# KiCad board keyboard.kicad_pcb (continued)
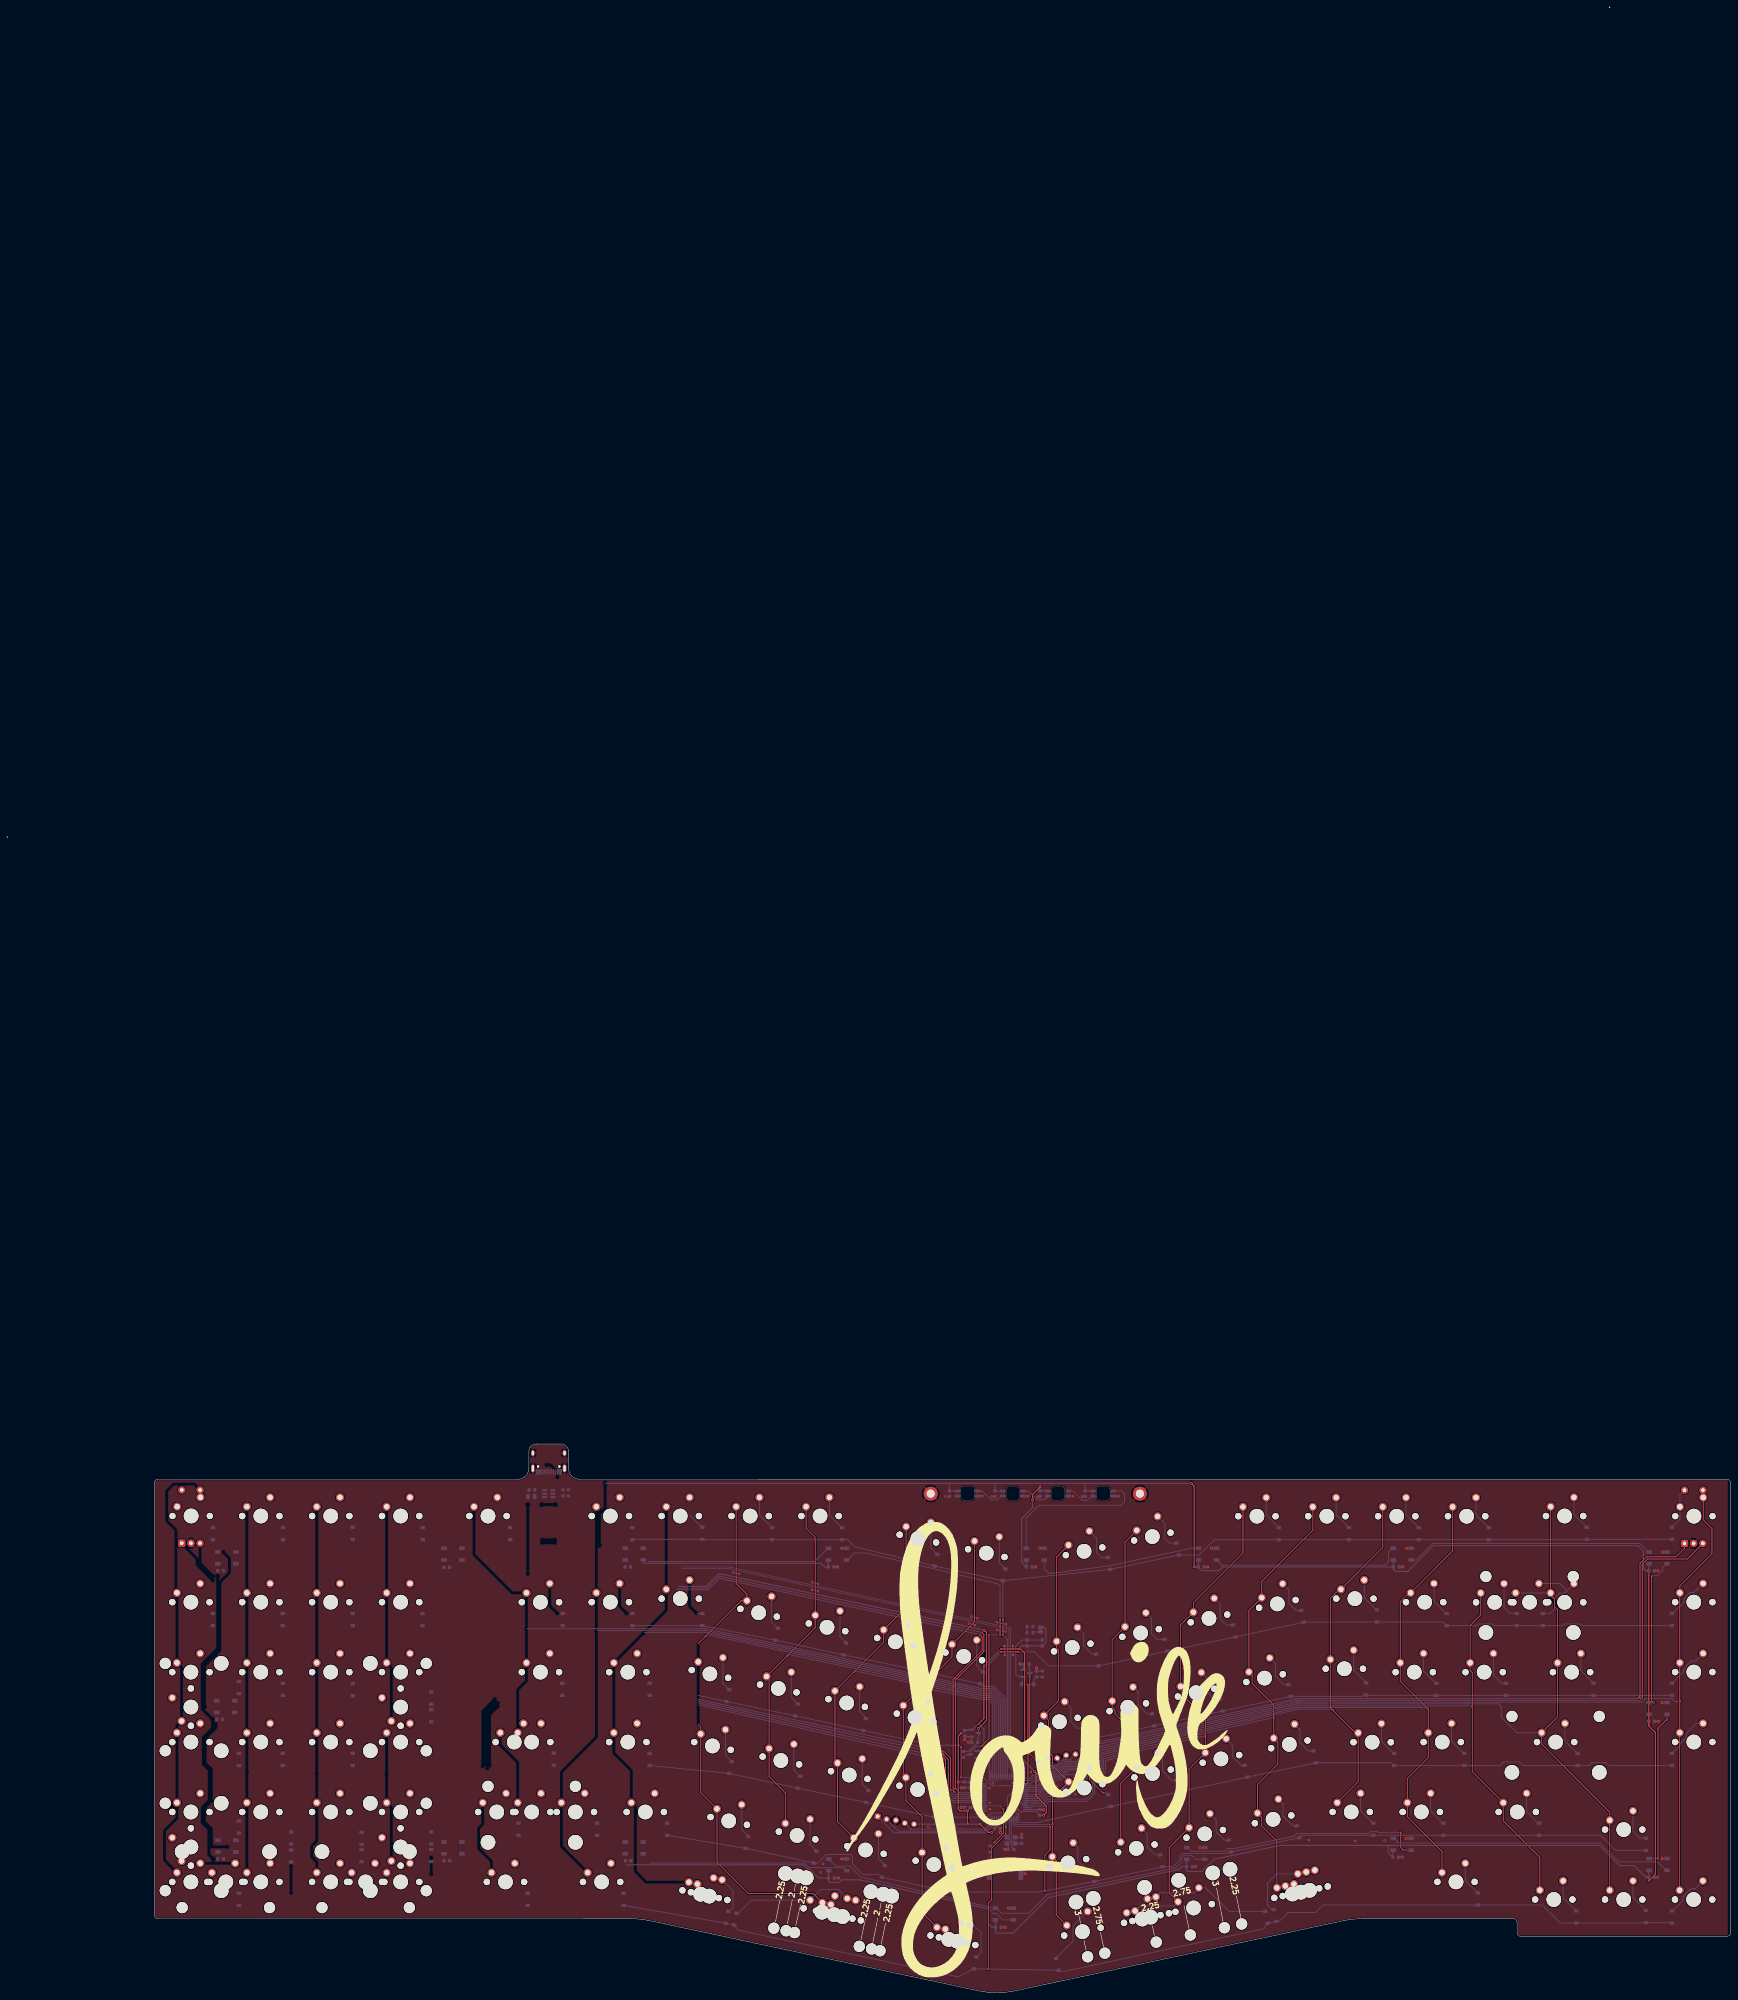
[diagram p0: board, top side]
## Placement (name value [footprint] x y rotation side) (continued)
Y1  8MHz  [Crystal_SMD_3225-4Pin_3.2x2.5mm]  273.53 41.47 0 bottom

## Library data of the parts
BZ1 = -: MPN: PKMCS0909E; Manufacturer: Murata Electronics
C1-C6 C8-C11 C13 C14 C16-C23 C30-C36 = -: LCSC: C14663; MPN: CC0603KRX7R9BB104; Manufacturer: YAGEO
C7 C12 C15 C24 C28 C29 = -: LCSC: C19666; MPN: CL10A475KO8NNNC; Manufacturer: Samsung Electro-Mechanics
C25 = -: LCSC: C96446; MPN: CL10A106MA8NRNC; Manufacturer: Samsung Electro-Mechanics
C26 C27 = -: LCSC: C1644; MPN: CL10C150JB8NNNC; Manufacturer: Samsung Electro-Mechanics
D1-D6 D11-D16 D21-D26 D29-D34 D38-D43 D47-D50 D54-D59 D61-D96 D98-D133 = -: LCSC: C81598; MPN: 1N4148W; Manufacturer: Semtech
D7-D10 D17-D20 D27 D28 D35-D37 D45 D51 D53 D134 D135 = -: LCSC: C2761795; MPN: WS2812B-B/W; Manufacturer: Worldsemi
D44 D46 D52 D60 = -: Manufacturer: Shenzhen LED Color
D97 = -: LCSC: C72041; MPN: 19-217/BHC-ZL1M2RY/3T; Manufacturer: Everlight Elec
F1 = -: LCSC: C66452; MPN: SMD0805-050; Manufacturer: TECHFUSE
H1 H2 J2 J3 JP1 LOGO2 LOGO3 SW1-SW56 SW58-SW129 = -: DNP: DNP
J1 = -: LCSC: C165948; MPN: TYPE-C-31-M-12; Manufacturer: Korean Hroparts Elec
Q1 = -: LCSC: C8545; Manufacturer: Changjiang Electronics Tech (CJ)
Q2 = -: LCSC: C145108; MPN: DDTC123JCA-7-F; Manufacturer: Diodes Incorporated
R1-R4 R6 = -: LCSC: C23186; MPN: 0603WAF5101T5E; Manufacturer: UNI-ROYAL(Uniroyal Elec)
R5 = -: LCSC: C25803; MPN: 0603WAF1003T5E; Manufacturer: UNI-ROYAL(Uniroyal Elec)
R7 = -: LCSC: C22843; MPN: 0603WAF1501T5E; Manufacturer: UNI-ROYAL(Uniroyal Elec)
R8 = -: LCSC: C23345; MPN: 0603WAF220JT5E; Manufacturer: UNI-ROYAL(Uniroyal Elec)
SW57 = -: LCSC: C99271; MPN: KMR231GLFS; Manufacturer: C&K
U1 = -: LCSC: C85364; MPN: TP4057-42-SOT26-R; Manufacturer: TOPPOWER
U2 = -: LCSC: C5446; Manufacturer: Torex Semicon
U3 = -: LCSC: C108516; Manufacturer: STMicroelectronics
Y1 = -: LCSC: C403948; MPN: TAXM8M4RFDCET2T; Manufacturer: TAE(Zhejiang Abel Elec)

## Footprints (pads in the part's own frame, mm; a bottom-side part is the same pattern mirrored in y, then rotated)
5_PIN_THT_Staggered
  rrect 1.7x1.7 hole 1: 1(0.127,0)
  oval 1.7x1.7 hole 1: 2(-0.127,-2.54) 3(0.127,-5.08) 4(-0.127,-7.62) 5(0.127,-10.16)
Buzzer_Murata_PKMCS0909E
  rect 1.3x3.4 smd: 1(-4.35,0) 2(4.35,0)
C_0603_1608Metric
  rrect 0.9x0.95 smd: 1(-0.775,0) 2(0.775,0)
Crystal_SMD_3225-4Pin_3.2x2.5mm
  rrect 1.4x1.2 smd: 1(-1.1,-0.85) 2(1.1,-0.85) 3(1.1,0.85) 4(-1.1,0.85)
D_SOD-123
  rect 0.9x1.2 smd: 1(-1.65,0) 2(1.65,0)
Fuse_0805_2012Metric
  rrect 0.975x1.4 smd: 1(-0.938,0) 2(0.938,0)
LED_0603_1608Metric
  rrect 0.875x0.95 smd: 1(-0.787,0) 2(0.787,0)
LED_WS2812B_PLCC4_5.0x5.0mm_P3.2mm
  rect 1.5x1 smd: 1(-2.45,1.6) 2(-2.45,-1.6) 3(2.45,-1.6) 4(2.45,1.6)
LQFP-64_10x10mm_P0.5mm
  rrect 1.55x0.3 smd: 1(-5.675,3.75) 2(-5.675,3.25) 3(-5.675,2.75) 4(-5.675,2.25) 5(-5.675,1.75) 6(-5.675,1.25) 7(-5.675,0.75) 8(-5.675,0.25) 9(-5.675,-0.25) 10(-5.675,-0.75) 11(-5.675,-1.25) 12(-5.675,-1.75) 13(-5.675,-2.25) 14(-5.675,-2.75) 15(-5.675,-3.25) 16(-5.675,-3.75) 33(5.675,-3.75) 34(5.675,-3.25) 35(5.675,-2.75) 36(5.675,-2.25) 37(5.675,-1.75) 38(5.675,-1.25) 39(5.675,-0.75) 40(5.675,-0.25) 41(5.675,0.25) 42(5.675,0.75) 43(5.675,1.25) 44(5.675,1.75) 45(5.675,2.25) 46(5.675,2.75) 47(5.675,3.25) 48(5.675,3.75)
  rrect 0.3x1.55 smd: 17(-3.75,-5.675) 18(-3.25,-5.675) 19(-2.75,-5.675) 20(-2.25,-5.675) 21(-1.75,-5.675) 22(-1.25,-5.675) 23(-0.75,-5.675) 24(-0.25,-5.675) 25(0.25,-5.675) 26(0.75,-5.675) 27(1.25,-5.675) 28(1.75,-5.675) 29(2.25,-5.675) 30(2.75,-5.675) 31(3.25,-5.675) 32(3.75,-5.675) 49(3.75,5.675) 50(3.25,5.675) 51(2.75,5.675) 52(2.25,5.675) 53(1.75,5.675) 54(1.25,5.675) 55(0.75,5.675) 56(0.25,5.675) 57(-0.25,5.675) 58(-0.75,5.675) 59(-1.25,5.675) 60(-1.75,5.675) 61(-2.25,5.675) 62(-2.75,5.675) 63(-3.25,5.675) 64(-3.75,5.675)
MountingHole_2.2mm_M2_DIN965_Pad
  round 3.8 hole 2.2: 1(0,0)
MX_KEYSWITCH_ENCODER
  round 1.7 hole 1.7 unplated: (-5.02,0.02) (5.14,0.02)
  round 4 hole 4 unplated: (0.06,0.02)
  rrect 2x2 hole 1: A(-2.5,-7.4)
  round 2 hole 1: B(2.5,-7.4) C(0,-7.4) S1(2.5,7.1) S2(-2.5,7.1)
  round 2.2 hole 1.5: S1(2.6,5.1) S2(-3.75,2.56)
MXOnly-1.5U-NoLED
  round 1.75 hole 1.75 unplated: (-5.08,0) (5.08,0)
  round 3.988 hole 3.988 unplated: (0,0)
  round 2.25 hole 1.47: 1(-3.81,2.54) 2(2.54,5.08)
MXOnly-1.25U-NoLED
  round 1.75 hole 1.75 unplated: (-5.08,0) (5.08,0)
  round 3.988 hole 3.988 unplated: (0,0)
  round 2.25 hole 1.47: 1(-3.81,2.54) 2(2.54,5.08)
MXOnly-1.75U-NoLED
  round 1.75 hole 1.75 unplated: (-5.08,0) (5.08,0)
  round 3.988 hole 3.988 unplated: (0,0)
  round 2.25 hole 1.47: 1(-3.81,2.54) 2(2.54,5.08)
MXOnly-1U-NoLED
  round 1.75 hole 1.75 unplated: (-5.08,0) (5.08,0)
  round 3.988 hole 3.988 unplated: (0,0)
  round 2.25 hole 1.47: 1(-3.81,2.54) 2(2.54,5.08)
MXOnly-2.25U-NoLED
  round 3.048 hole 3.048 unplated: (-11.906,6.985) (11.906,6.985)
  round 3.988 hole 3.988 unplated: (-11.906,-8.255) (0,0) (11.906,-8.255)
  round 1.75 hole 1.75 unplated: (-5.08,0) (5.08,0)
  round 2.25 hole 1.47: 1(-3.81,2.54) 2(2.54,5.08)
MXOnly-2.25U-ReversedStabilizers-NoLED
  round 3.988 hole 3.988 unplated: (-11.906,8.255) (0,0) (11.906,8.255)
  round 3.048 hole 3.048 unplated: (-11.906,-6.985) (11.906,-6.985)
  round 1.75 hole 1.75 unplated: (-5.08,0) (5.08,0)
  round 2.25 hole 1.47: 1(-3.81,2.54) 2(2.54,5.08)
MXOnly-2.75U-ReversedStabilizers-NoLED
  round 3.988 hole 3.988 unplated: (-11.906,8.255) (0,0) (11.906,8.255)
  round 3.048 hole 3.048 unplated: (-11.906,-6.985) (11.906,-6.985)
  round 1.75 hole 1.75 unplated: (-5.08,0) (5.08,0)
  round 2.25 hole 1.47: 1(-3.81,2.54) 2(2.54,5.08)
MXOnly-2U-NoLED
  round 3.048 hole 3.048 unplated: (-11.906,6.985) (11.906,6.985)
  round 3.988 hole 3.988 unplated: (-11.906,-8.255) (0,0) (11.906,-8.255)
  round 1.75 hole 1.75 unplated: (-5.08,0) (5.08,0)
  round 2.25 hole 1.47: 1(-3.81,2.54) 2(2.54,5.08)
MXOnly-2U-ReversedStabilizers-NoLED
  round 3.988 hole 3.988 unplated: (-11.906,8.255) (0,0) (11.906,8.255)
  round 3.048 hole 3.048 unplated: (-11.906,-6.985) (11.906,-6.985)
  round 1.75 hole 1.75 unplated: (-5.08,0) (5.08,0)
  round 2.25 hole 1.47: 1(-3.81,2.54) 2(2.54,5.08)
MXOnly-3U-ReversedStabilizers-NoLED
  round 3.988 hole 3.988 unplated: (-19.05,8.255) (0,0) (19.05,8.255)
  round 3.048 hole 3.048 unplated: (-19.05,-6.985) (19.05,-6.985)
  round 1.75 hole 1.75 unplated: (-5.08,0) (5.08,0)
  round 2.25 hole 1.47: 1(-3.81,2.54) 2(2.54,5.08)
R_0603_1608Metric
  rrect 0.8x0.95 smd: 1(-0.825,0) 2(0.825,0)
SK8612-MINI-E
  rrect 1.55x0.81 smd far side: 1(-2.7,0.7) 4(2.8,0.7)
  rrect 1.55x0.82 smd far side: 2(-2.7,-0.66)
  rect 1.55x0.82 smd far side: 3(2.8,-0.66)
SolderJumper-2_P1.3mm_Bridged_RoundedPad1.0x1.5mm
  custom 1x1.5 smd: 1(-0.65,0) 2(0.65,0)
SOT-23
  rrect 1.475x0.6 smd: 1(-0.938,0.95) 2(-0.938,-0.95) 3(0.938,0)
SOT-23-6
  rrect 1.325x0.6 smd: 1(-1.137,0.95) 2(-1.137,0) 3(-1.137,-0.95) 4(1.137,-0.95) 5(1.137,0) 6(1.137,0.95)
SW_Push_KMR2
  rrect 0.9x1 smd: 1(-2.05,0.8) 1(2.05,0.8) 2(-2.05,-0.8) 2(2.05,-0.8)
USB_C_Receptacle_HRO_TYPE-C-31-M-12
  rrect 1.5x2.1 smd: (-4.55,-1.05) (4.55,-1.05)
  rrect 1.5x2.5 smd: (-4.55,3.13) (4.55,3.13)
  round 0.65 hole 0.65 unplated: (-2.89,2.6) (2.89,2.6)
  rrect 0.6x1.45 smd: A1(-3.25,4.045) A4(-2.45,4.045) A9(2.45,4.045) A12(3.25,4.045) B1(3.25,4.045) B4(2.45,4.045) B9(-2.45,4.045) B12(-3.25,4.045)
  rrect 0.3x1.45 smd: A5(-1.25,4.045) A6(-0.25,4.045) A7(0.25,4.045) A8(1.25,4.045) B5(1.75,4.045) B6(0.75,4.045) B7(-0.75,4.045) B8(-1.75,4.045)
  oval 1x1.6 hole 0.6x1.2: S1(-4.32,-1.05) S1(4.32,-1.05)
  oval 1x2.1 hole 0.6x1.7: S1(-4.32,3.13) S1(4.32,3.13)

## Nets
+3V3: C15.2 C28.1 C29.1 C30.1 C31.1 C32.1 C33.1 C34.1 J2.5 J3.5 JP1.2 Q1.1 R1.1 R7.1 SW57.1 U2.2 U3.1 U3.13 U3.19 U3.32 U3.48 U3.64
+5V: C1.2 C2.2 C3.2 C4.2 C5.2 C6.2 C8.2 C9.2 C10.2 C11.2 C12.2 C13.2 C14.2 C16.2 C17.2 C18.2 C19.2 C20.2 C21.2 C22.2 C23.2 C35.2 C36.2 D7.1 D8.1 D9.1 D10.1 D17.1 D18.1 D19.1 D20.1 D27.1 D28.1 D35.1 D36.1 D37.1 D44.1 D45.1 D46.1 D51.1 D52.1 D53.1 D60.1 D134.1 D135.1 F1.1 R2.1 U2.3
GND: BZ1.2 C1.1 C2.1 C3.1 C4.1 C5.1 C6.1 C7.1 C8.1 C9.1 C10.1 C11.1 C12.1 C13.1 C14.1 C15.1 C16.1 C17.1 C18.1 C19.1 C20.1 C21.1 C22.1 C23.1 C24.2 C25.2 C26.2 C27.2 C28.2 C29.2 C30.2 C31.2 C32.2 C33.2 C34.2 C35.1 C36.1 D7.3 D8.3 D9.3 D10.3 D17.3 D18.3 D19.3 D20.3 D27.3 D28.3 D35.3 D36.3 D37.3 D44.3 D45.3 D46.3 D51.3 D52.3 D53.3 D60.3 D97.1 D134.3 D135.3 H1.1 H2.1 J1.A1 J1.A12 J1.B1 J1.B12 J1.S1 J2.3 J3.3 Q2.2 R3.1 R4.2 R5.2 SW1.C SW124.C U1.2 U2.1 U3.12 U3.31 U3.47 U3.63 Y1.2 Y1.4
VBUS: C7.2 F1.2 J1.A4 J1.A9 J1.B4 J1.B9 U1.5
/BOOT0: C25.1 D73.1 R5.1 U3.60
/BUZZER: R8.1 U3.20
/col0: SW1.S1 SW2.1 SW3.1 SW4.1 SW5.1 SW6.1 SW7.1 SW8.1 SW9.1 U3.25
/col1: SW10.1 SW11.1 SW12.1 SW13.1 SW14.1 SW15.1 U3.24
/col2: SW16.1 SW17.1 SW18.1 SW19.1 SW20.1 SW21.1 U3.23
/col3: SW22.1 SW23.1 SW24.1 SW25.1 SW26.1 SW27.1 SW28.1 SW29.1 SW30.1 U3.22
/col4: SW31.1 SW32.1 SW33.1 SW34.1 SW35.1 SW36.1 SW37.1 SW38.1 U3.40
/col5: SW39.1 SW40.1 SW41.1 SW42.1 U3.39
/col6: SW43.1 SW44.1 SW45.1 SW46.1 SW47.1 SW48.1 SW128.1 U3.38
/col7: SW49.1 SW50.1 SW51.1 SW52.1 SW53.1 SW54.1 SW55.1 SW129.2 U3.37
/col8: SW58.1 SW59.1 SW60.1 SW61.1 SW62.1 U3.35
/col9: SW64.1 SW65.1 SW66.1 SW67.1 SW68.1 U3.34
/col10: SW56.1 SW63.1 SW72.1 SW73.1 SW74.1 SW75.1 SW76.1 U3.33
/col11: SW69.1 SW78.1 SW79.1 SW80.1 SW81.1 SW82.1 U3.3
/col12: SW85.1 SW86.1 SW87.1 SW88.1 SW89.1 U3.62
/col13: SW70.1 SW71.1 SW77.1 SW91.1 SW92.1 SW93.1 SW94.1 SW95.1 U3.61
/col14: SW83.1 SW84.1 SW90.1 SW96.1 SW97.1 SW98.1 SW99.1 SW100.1 U3.59
/col15: SW101.1 SW102.1 SW103.1 SW104.1 SW105.1 U3.58
/col16: SW106.1 SW107.1 SW108.1 SW109.1 SW110.1 SW111.1 U3.57
/col17: SW112.1 SW114.1 SW115.1 SW117.1 U3.56
/col18: SW113.1 SW116.1 SW118.1 SW119.1 SW120.1 SW121.1 SW122.1 U3.55
/col19: SW123.1 SW124.S1 SW125.1 SW126.1 SW127.1 U3.53
/ENC0_A: SW1.A U3.29
/ENC0_B: SW1.B U3.30
/ENC1_A: SW124.A U3.51
/ENC1_B: SW124.B U3.52
/nRST: C24.1 J2.1 Q2.3 U3.7
/RGB_UG: Q1.2 R1.2 U3.36
/row0: D6.1 D11.1 D21.1 D29.1 D38.1 D47.1 D54.1 D61.1 D67.1 D74.1 D80.1 D86.1 D91.1 D98.1 D103.1 D108.1 D114.1 D120.1 D133.1 U3.42
/row1: D1.1 D12.1 D22.1 D30.1 D39.1 D48.1 D55.1 D62.1 D68.1 D75.1 D81.1 D87.1 D92.1 D99.1 D104.1 D109.1 D115.1 D121.1 D126.1 D130.1 U3.41
/row2: D2.1 D13.1 D23.1 D31.1 D40.1 D56.1 D63.1 D69.1 D76.1 D82.1 D88.1 D93.1 D100.1 D105.1 D110.1 D116.1 D122.1 D127.1 D131.1 U3.50
/row3: D3.1 D14.1 D24.1 D32.1 D41.1 D57.1 D64.1 D70.1 D77.1 D83.1 D89.1 D94.1 D101.1 D106.1 D111.1 D117.1 D123.1 D132.1 U3.2
/row4: D4.1 D15.1 D25.1 D33.1 D42.1 D49.1 D58.1 D65.1 D71.1 D78.1 D84.1 D90.1 D95.1 D102.1 D107.1 D112.1 D118.1 D124.1 D128.1 U3.4
/row5: D5.1 D16.1 D26.1 D34.1 D43.1 D50.1 D59.1 D66.1 D72.1 D79.1 D85.1 D96.1 D113.1 D119.1 D125.1 D129.1 U3.8
/SPARE_0: J3.1 U3.14
/SPARE_1: J3.2 U3.15
/SPARE_2: J3.4 U3.16
/SWDCLK: J2.4 U3.49
/SWDIO: J2.2 U3.46
/USB+: J1.A6 J1.B6 R7.2 U1.3 U3.45
/USB-: J1.A7 J1.B7 U1.4 U3.44
/XTAL_0: C26.1 U3.5 Y1.3
/XTAL_1: C27.1 U3.6 Y1.1
Net-(BZ1-Pad1): BZ1.1 R8.2
Net-(D1-Pad2): D1.2 SW5.2
Net-(D2-Pad2): D2.2 SW6.2 SW7.2
Net-(D3-Pad2): D3.2 SW2.2
Net-(D4-Pad2): D4.2 SW3.2 SW8.2
Net-(D5-Pad2): D5.2 SW4.2 SW9.2
Net-(D6-Pad2): D6.2 SW1.S2
Net-(D7-Pad2): D7.2 D9.4
Net-(D7-Pad4): D7.4 Q1.3 R2.2
Net-(D10-Pad2): D10.2 D18.4
Net-(D10-Pad4): D8.2 D10.4
Net-(D11-Pad2): D11.2 SW10.2
Net-(D12-Pad2): D12.2 SW11.2
Net-(D13-Pad2): D13.2 SW12.2
Net-(D14-Pad2): D14.2 SW13.2
Net-(D15-Pad2): D15.2 SW14.2
Net-(D16-Pad2): D16.2 SW15.2
Net-(D17-Pad2): D17.2 D19.4
Net-(D18-Pad2): D18.2 D20.4
Net-(D19-Pad2): D19.2 D27.4
Net-(D20-Pad2): D20.2 D28.4
Net-(D21-Pad2): D21.2 SW16.2
Net-(D22-Pad2): D22.2 SW17.2
Net-(D23-Pad2): D23.2 SW18.2
Net-(D24-Pad2): D24.2 SW19.2
Net-(D25-Pad2): D25.2 SW20.2
Net-(D26-Pad2): D26.2 SW21.2
Net-(D27-Pad2): D27.2 D35.4
Net-(D28-Pad2): D28.2 D36.4
Net-(D29-Pad2): D29.2 SW25.2
Net-(D30-Pad2): D30.2 SW26.2
Net-(D31-Pad2): D31.2 SW22.2 SW27.2
Net-(D32-Pad2): D32.2 SW28.2
Net-(D33-Pad2): D33.2 SW23.2 SW29.2
Net-(D34-Pad2): D34.2 SW24.2 SW30.2
Net-(D35-Pad2): D35.2 D37.4
Net-(D37-Pad2): D37.2 D45.4
Net-(D38-Pad2): D38.2 SW33.2
Net-(D39-Pad2): D39.2 SW34.2
Net-(D40-Pad2): D40.2 SW35.2
Net-(D41-Pad2): D41.2 SW31.2 SW36.2
Net-(D42-Pad2): D42.2 SW32.2 SW37.2
Net-(D43-Pad2): D43.2 SW38.2
Net-(D44-Pad2): D44.2 D46.4
Net-(D45-Pad2): D45.2 D51.4
Net-(D46-Pad2): D46.2 D52.4
Net-(D47-Pad2): D47.2 SW39.2
Net-(D48-Pad2): D48.2 SW40.2
Net-(D49-Pad2): D49.2 SW41.2
Net-(D50-Pad2): D50.2 SW42.2
Net-(D51-Pad2): D51.2 D53.4
Net-(D52-Pad2): D52.2 D60.4
Net-(D53-Pad2): D8.4 D53.2
Net-(D54-Pad2): D54.2 SW43.2
Net-(D55-Pad2): D55.2 SW44.2
Net-(D56-Pad2): D56.2 SW45.2
Net-(D57-Pad2): D57.2 SW46.2
Net-(D58-Pad2): D58.2 SW47.2
Net-(D59-Pad2): D59.2 SW48.2 SW128.2
Net-(D61-Pad2): D61.2 SW50.2
Net-(D62-Pad2): D62.2 SW51.2
Net-(D63-Pad2): D63.2 SW52.2
Net-(D64-Pad2): D64.2 SW53.2
Net-(D65-Pad2): D65.2 SW54.2
Net-(D66-Pad2): D66.2 SW49.2 SW55.2 SW129.1
Net-(D67-Pad2): D67.2 SW58.2
Net-(D68-Pad2): D68.2 SW59.2
Net-(D69-Pad2): D69.2 SW60.2
Net-(D70-Pad2): D70.2 SW61.2
Net-(D71-Pad2): D71.2 SW62.2
Net-(D72-Pad2): D72.2 SW56.2 SW63.2
Net-(D73-Pad2): D73.2 Q2.1 SW57.2
Net-(D74-Pad2): D74.2 SW64.2
Net-(D75-Pad2): D75.2 SW65.2
Net-(D76-Pad2): D76.2 SW66.2
Net-(D77-Pad2): D77.2 SW67.2
Net-(D78-Pad2): D78.2 SW68.2
Net-(D79-Pad2): D79.2 SW69.2
Net-(D80-Pad2): D80.2 SW72.2
Net-(D81-Pad2): D81.2 SW73.2
Net-(D82-Pad2): D82.2 SW74.2
Net-(D83-Pad2): D83.2 SW75.2
Net-(D84-Pad2): D84.2 SW76.2
Net-(D85-Pad2): D85.2 SW70.2 SW71.2 SW77.2
Net-(D86-Pad2): D86.2 SW78.2
Net-(D87-Pad2): D87.2 SW79.2
Net-(D88-Pad2): D88.2 SW80.2
Net-(D89-Pad2): D89.2 SW81.2
Net-(D90-Pad2): D90.2 SW82.2
Net-(D91-Pad2): D91.2 SW85.2
Net-(D92-Pad2): D92.2 SW86.2
Net-(D93-Pad2): D93.2 SW87.2
Net-(D94-Pad2): D94.2 SW88.2
Net-(D95-Pad2): D95.2 SW89.2
Net-(D96-Pad2): D96.2 SW83.2 SW84.2 SW90.2
Net-(D97-Pad2): D97.2 R6.2
Net-(D98-Pad2): D98.2 SW91.2
Net-(D99-Pad2): D99.2 SW92.2
Net-(D100-Pad2): D100.2 SW93.2
Net-(D101-Pad2): D101.2 SW94.2
Net-(D102-Pad2): D102.2 SW95.2
Net-(D103-Pad2): D103.2 SW96.2
Net-(D104-Pad2): D104.2 SW97.2
Net-(D105-Pad2): D105.2 SW98.2
Net-(D106-Pad2): D106.2 SW99.2
Net-(D107-Pad2): D107.2 SW100.2
Net-(D108-Pad2): D108.2 SW101.2
Net-(D109-Pad2): D109.2 SW102.2
Net-(D110-Pad2): D110.2 SW103.2
Net-(D111-Pad2): D111.2 SW104.2
Net-(D112-Pad2): D112.2 SW105.2
Net-(D113-Pad2): D113.2 SW106.2
Net-(D114-Pad2): D114.2 SW107.2
Net-(D115-Pad2): D115.2 SW108.2
Net-(D116-Pad2): D116.2 SW109.2
Net-(D117-Pad2): D117.2 SW110.2
Net-(D118-Pad2): D118.2 SW111.2
Net-(D119-Pad2): D119.2 SW112.2
Net-(D120-Pad2): D120.2 SW113.2
Net-(D121-Pad2): D121.2 SW114.2
Net-(D122-Pad2): D122.2 SW115.2
Net-(D123-Pad2): D123.2 SW116.2
Net-(D124-Pad2): D124.2 SW117.2
Net-(D125-Pad2): D125.2 SW118.2
Net-(D126-Pad2): D126.2 SW119.2 SW120.2
Net-(D127-Pad2): D127.2 SW121.2
Net-(D128-Pad2): D128.2 SW122.2
Net-(D129-Pad2): D129.2 SW123.2
Net-(D130-Pad2): D130.2 SW125.2
Net-(D131-Pad2): D131.2 SW126.2
Net-(D132-Pad2): D132.2 SW127.2
Net-(D133-Pad2): D133.2 SW124.S2
Net-(D134-Pad2): D44.4 D134.2
Net-(D134-Pad4): D36.2 D134.4
Net-(D135-Pad2): D17.4 D135.2
Net-(D135-Pad4): D9.2 D135.4
Net-(J1-PadA5): J1.A5 R3.2
Net-(J1-PadB5): J1.B5 R4.1
Net-(JP1-Pad1): JP1.1 R6.1

Pads without a net: D60 2; J1 A8 B8; U1 1 6; U3 9 10 11 17 18 21 26 27 28 43 54

## Via types
v1: diameter 0.6, hole 0.3, Top to Bottom, 115 vias
v2: diameter 0.8, hole 0.4, Top to Bottom, 50 vias

## Routing (per net, layer and track width the routed paths; a pad name or vN(x,y) marks a point on that pad's centre or on a via; arc(x,y) is an arc through that point)
+3V3: length 203.7
  Top w0.3: v1(264.62,73.22) 266.12,74.72 v1(266.12,89.04) ; v2(261.68,45.9) 261.62,45.95 v2(261.62,49.52) 259.62,49.52 259.12,50.02 v2(259.12,57.42) 259.12,69.84 v2(259.93,70.64) ; v2(265.03,45.94) 267.32,43.64 v2(268.23,43.64) ; v2(282.43,48.32) 283.12,49.02 283.12,50.84 280.32,53.64 v2(280.32,57.34) 280.32,59.84 v2(279.93,60.24) ; v1(270.82,93.62) v1(275.53,93.62) 276.15,93.62 277.23,92.54 v2(277.23,65.14)
  Bottom w0.3: v1(270.82,93.62) 266.25,89.04 v1(266.12,89.04) ; Q1.1 265.28,65.82 265.4,65.69 R1.1 266.12,71.82 264.73,73.22 v1(264.62,73.22) 263.03,71.62 U2.2 261.73,71.62 261.55,71.44 C15.2 260.06,70.64 v2(259.93,70.64) ; v2(261.62,49.52) 261.62,49.64 262.4,50.42 262.45,50.37 U3.19 ; v2(259.12,57.42) 260.8,57.42 C28.1 260.85,57.37 C33.1 263.57,57.37 264.07,56.87 U3.32 ; 276.1,64.02 276.1,66.17 ; 276.1,64.02 277.23,65.14 v2(277.23,65.14) ; 276.1,64.02 276.15,64.02 v2(279.93,60.24) ; 276.1,64.02 276.1,62.52 276.12,62.49 276.12,61.32 275.57,60.77 U3.48 ; v2(265.03,45.94) 264.98,45.9 v2(261.68,45.9) J3.5 ; v2(268.23,43.64) 269.05,44.47 C30.1 269.57,45.24 U3.13 ; J2.5 289.61,63.43 288.03,63.43 286.05,61.44 284.82,61.44 281.15,57.77 280.75,57.77 v2(280.32,57.34) ; U3.1 275.57,48.87 276.07,49.37 U3.64 280.38,49.37 281.43,48.32 v2(282.43,48.32) ; v1(275.53,93.62) 276.35,94.44 SW57.1 SW57.1 283.03,95.44 283.03,99.14 282.62,99.54 JP1.2
+5V: length 945.9
  Top w0.3: v1(447.32,113.92) v1(447.32,72.82) 447.32,72.62 449.12,70.82 449.12,32.22 v1(447.32,30.42) ; v2(322.65,138.72) 323.43,137.94 v2(323.43,115.94) ; v2(279.38,134.19) 279.38,135.69 v2(281.43,137.74) ; v2(264.62,71.94) 266.83,74.15 266.83,91.04 266.82,91.05 266.82,98.14 v2(266.23,98.74)
  Bottom w0.3: 281.43,138.72 C22.2 283.52,136.69 D46.1 ; 281.43,138.72 269.23,138.72 ; 281.43,138.72 293.73,138.72 ; C3.2 447.31,113.93 v1(447.32,113.92) ; C3.2 446.35,114.92 445.82,115.44 445.82,120.24 444.32,121.74 388.62,121.74 381.62,114.74 378.23,114.74 377.71,115.26 C2.2 ; C3.2 447.31,116.76 D20.1 ; C9.2 269.31,19.75 ; C9.2 268.23,17.82 267.32,18.72 267.32,22.82 232.43,30.72 227.32,30.72 226.62,30.02 224.12,30.02 223.81,30.34 C10.2 ; C9.2 269.31,16.44 269.53,16.22 274.03,16.22 283.73,25.92 319.43,33.62 320.12,34.32 C8.2 ; 257.32,138.72 269.23,138.72 ; 257.32,138.72 256.82,138.72 256.73,138.62 C21.2 256.8,136.62 D60.1 ; 257.32,138.72 162.9,138.72 ; 269.23,138.72 269.12,138.62 C23.2 269.2,136.62 D52.1 ; D134.1 C36.2 276.43,117.19 276.43,129.14 279.38,132.09 v2(279.38,134.19) ; 168.62,34.82 217.05,34.82 218.3,33.57 218.71,33.57 221.06,31.22 C10.2 ; D44.1 293.8,136.62 C20.2 293.73,138.72 ; 376.32,40.12 346.82,40.12 328.82,36.32 325.53,33.02 321.62,33.02 321.32,33.32 321.32,34.28 C8.2 ; 376.32,40.12 433.85,40.12 439.35,34.62 443.32,34.62 446.53,31.42 C5.2 ; 376.32,40.12 376.32,38.14 C6.2 377.55,38.76 377.61,38.82 ; v1(447.32,30.42) 447.32,31.41 C5.2 ; 183.02,110.64 190.43,110.64 193.93,114.14 v2(266.23,98.74) ; D36.1 324.56,117.78 C19.2 ; C10.2 223.81,33.2 D45.1 ; C5.2 447.31,33.26 D10.1 ; v1(447.32,72.82) 447.31,72.83 C4.2 447.31,75.76 D18.1 ; C8.2 321.36,36.3 D53.1 ; C19.2 v2(323.43,115.94) ; C19.2 325.56,114.94 330.12,114.94 331.12,115.94 C2.2 ; C2.2 377.71,117.78 ; 293.73,138.72 v2(322.65,138.72) ; R2.1 261.96,65.69 C12.2 264.44,69.14 264.66,69.37 264.66,70.61 U2.3 264.6,71.92 v2(264.62,71.94) ; D7.1 223.71,117.78 C1.2 222.73,115.94 221.73,116.94 173.23,116.94
GND: length 94.9
  Bottom w0.3: C36.1 v2(280.23,115.94) ; v1(274.03,92.02) v1(274.03,94.42) ; C9.1 v2(271.93,17.82) ; C22.1 280.8,135.14 v1(280.77,135.12) ; v2(270.61,43.66) 270.6,43.67 270.6,44.72 270.07,45.24 U3.12 ; v1(245.73,106.04) v1(244.12,106.44) ; v1(220.93,111.34) v1(219.32,111.74) ; v2(280.48,88.44) C25.2 280.53,87.61 R5.2 ; C2.1 v2(380.23,115.94) ; v1(245.23,104.14) v1(243.62,104.54) ; Y1.2 274.7,42.24 C26.2 v2(276.43,43.14) ; C4.1 v2(449.93,73.92) ; v1(255.62,135.12) 255.65,135.14 C21.1 ; v2(275.93,89.48) C24.2 276.9,88.09 Q2.2 ; v2(261.93,68.22) 261.98,68.17 C12.1 262.73,68.33 U2.1 261.62,69.72 261.45,69.89 C15.1 260.86,69.01 v2(260.93,68.94) ; U3.63 282.28,49.87 v2(282.32,49.82) ; 274.28,23.02 v2(272.82,23.02) ; v1(292.93,135.12) 292.95,135.14 C20.1 ; D10.3 v2(450.93,36.52) ; D7.3 v2(227.43,121.04) ; D20.3 v2(451.03,120.02) ; C5.1 v2(449.73,31.42) ; D18.3 v2(450.93,79.02) ; v2(271.82,39.04) 271.85,39.02 272.75,39.02 272.75,40.29 ; v1(264.32,102.04) v1(262.73,102.44) ; BZ1.2 v2(277.32,32.42) ; C19.1 v2(327.12,115.94) ; v1(268.23,135.12) 268.25,135.14 C23.1 ; v2(259.93,55.82) 259.95,55.84 C28.2 260.85,55.82 C33.2 263.53,55.82 264.07,56.37 U3.31 ; v1(263.62,100.14) v1(262.03,100.54) ; v1(220.93,109.34) v1(219.32,109.74) ; C3.1 v2(449.82,114.92) ; D60.3 265.69,135.26 v1(265.73,135.22) ; 382.51,42.02 v2(381.23,42.02) ; v2(274.53,65.02) 274.55,64.99 C29.2 C32.2 274.55,61.29 275.07,60.77 U3.47 ; C10.1 v2(226.43,31.22) ; C1.1 v2(226.23,115.94) ; D36.3 v2(328.18,121.04) ; D46.3 290.38,135.26 v1(290.43,135.22) ; 382.68,121.04 v2(381.32,121.04) ; C34.2 v2(259.93,50.42) ; D52.3 278.09,135.26 v1(278.12,135.22) ; v1(272.03,98.34) v1(269.73,98.74) ; D45.3 v2(227.43,36.42) ; D44.3 302.81,135.26 v1(302.82,135.24) ; D134.3 v2(281.32,121.04) ; 379.1,36.92 v2(380.12,36.92) ; v1(272.12,100.34) v1(269.62,100.84) ; C8.1 v2(323.82,34.32) ; v1(199.43,114.04) v1(197.82,114.44) ; v1(271.82,92.02) v1(271.82,94.42) ; D53.3 v2(325.03,39.52)
  vias: v1(221.62,32.74) v1(222.32,35.14) v1(251.03,45.24) v1(258.32,45.24) v1(267.62,55.72) v1(267.73,51.72) v1(267.73,50.02) v1(268.53,57.02) v1(274.12,57.12) v1(275.32,49.82) v1(275.43,54.64) v1(277.03,61.24) v1(277.03,59.24) v1(278.93,60.04) v1(285.93,56.14) v1(290.82,58.54) v1(291.03,54.04) v1(292.93,60.24) v1(296.12,63.24) v1(354.62,41.54) v1(367.32,41.34) v1(375.32,41.44)
/BOOT0: length 40.3
  Top w0.25: v1(278,83.94) 278.12,83.82 278.12,57.34 v1(276.23,55.44)
  Bottom w0.25: U3.60 276.4,51.37 276.23,51.54 v1(276.23,55.44) ; v1(278,83.94) 278.04,83.98 D73.1 279.73,85.26 C25.1 280.53,85.96 R5.1
/BUZZER: length 17.2
  Top w0.25: v1(271.41,49.96) 271.43,49.94 271.43,43.44 v1(268.98,40.99)
  Bottom w0.25: U3.20 270.5,50.87 271.41,49.96 v1(271.41,49.96) ; R8.1 267.95,39.97 v1(268.98,40.99)
/col0: length 90
  Top w0.25: v1(255.03,65.72) 255.23,65.72 257.05,63.89 v1(257.05,55.12)
  Bottom w0.25: v1(257.05,55.12) 257.05,54.78 258.46,53.37 U3.25 ; v1(255.03,65.72) 188.12,79.92
/col1: length 89.8
  Top w0.25: v1(256.43,54.52) 256.43,63.52 v1(255.03,64.92)
  Bottom w0.25: U3.24 258.07,52.87 v1(256.43,54.52) ; v1(255.03,64.92) 188.12,79.42
/col2: length 89.9
  Top w0.25: v1(256.32,53.62) 255.65,54.29 255.65,63.48 255.11,64.02 v1(255.03,64.02)
  Bottom w0.25: 188.12,78.92 v1(255.03,64.02) ; U3.23 257.57,52.37 v1(256.32,53.62)
/col3: length 89.8
  Top w0.25: v1(255.43,53.62) 255.03,54.02 v1(255.03,63.22)
  Bottom w0.25: v1(255.03,63.22) 188.12,78.42 ; U3.22 257.18,51.87 v1(255.43,53.62)
/col4: length 154.2
  Bottom w0.25: U3.40 271.57,79.87 268.53,82.92 265.23,82.92 190.43,99.12 141.46,99.12
/col5: length 134.1
  Bottom w0.25: 160.73,98.62 190.43,98.62 265.23,82.42 268.32,82.42 271.07,79.67 U3.39
/col6: length 120.4
  Bottom w0.25: U3.38 270.57,79.37 268.03,81.92 265.23,81.92 190.43,98.12 173.52,98.12
/col7: length 226.2
  Top w0.25: SW50.1 198.62,111.45 201.54,108.53 SW51.1 199.95,106.75 v1(190.32,97.12) 188.26,95.06 ; 188.26,73.08 188.96,72.38 SW53.1 188.96,54.48 SW54.1 193.38,35.56 201.93,27.02 219.6,27.02 SW55.1
  Bottom w0.25: U3.37 270.07,79.17 267.82,81.42 265.23,81.42 190.73,97.52 v1(190.32,97.12) ; SW55.1 223.93,24.49 SW49.1 225.52,25.08 SW129.2
/col8: length 174.4
  Top w0.25: SW58.1 217.67,126.48 220.17,123.97 SW59.1 220.17,99.41 v1(212.55,91.79) SW60.1 207.59,85.44 SW61.1 207.59,58.85 212.02,54.43 SW62.1
  Bottom w0.25: U3.35 269.07,59.63 269.47,60.03 269.47,79.1 267.66,80.92 265.23,80.92 212.93,92.12 v1(212.55,91.79)
/col9: length 155
  Top w0.25: SW68.1 226.23,46.56 SW67.1 225.53,63.25 SW66.1 v1(230.75,87.39) 238.81,95.45 SW65.1 244.93,104.95 SW64.1
  Bottom w0.25: U3.34 268.57,59.87 269.03,60.32 269.03,78.92 267.53,80.42 265.23,80.42 231.03,87.62 v1(230.75,87.39)
/col10: length 159.8
  Top w0.25: SW63.1 249.28,21.84 SW76.1 249.28,47.86 244.86,52.28 SW75.1 244.16,59.29 SW74.1 v1(249,83.05) 257.44,91.49 SW73.1 263.58,101 SW72.1
  Bottom w0.25: SW63.1 253.83,17.29 SW56.1 ; U3.33 268.07,60.17 268.43,60.52 268.43,78.72 267.23,79.92 265.23,79.92 v1(249,83.05)
/col11: length 124.7
  Top w0.25: SW78.1 285.94,118.68 SW79.1 285.93,95.68 285.93,93.94 286.43,93.44 286.43,79.46 SW80.1 283.73,74.2 283.73,65.62 284.82,64.52 284.82,61.82 SW81.1 284.82,53.06 v1(284.82,45.84) 284.78,45.8 SW82.1 285.82,35.98 285.82,21.21 SW69.1
  Bottom w0.25: U3.3 274.57,46.27 275.03,45.82 284.8,45.82 v1(284.82,45.84)
/col12: length 131.8
  Top w0.25: SW85.1 304.57,122.71 SW86.1 301.08,96.16 SW87.1 301.08,77.69 301.82,76.94 301.82,76.02 307.84,70.01 v1(307.84,65.11) SW88.1 303.41,56.98 SW89.1
  Bottom w0.25: v1(307.84,65.11) 299.23,63.22 299.23,60.02 296.32,57.12 296.32,54.22 294.23,52.12 283.82,52.12 282.53,50.82 279.53,50.82 279.07,50.37 U3.62
/col13: length 196.4
  Top w0.25: SW91.1 336.72,119.73 323.21,106.23 SW92.1 319.71,100.13 SW93.1 320.82,82.29 320.82,80.42 326.47,74.77 v1(326.47,69.96) SW94.1 322.05,60.94 SW95.1 316.62,39.52 316.62,27.16 SW71.1
  Bottom w0.25: v1(326.47,69.96) 298.73,63.72 298.73,60.34 295.78,57.4 295.78,54.47 294.03,52.72 283.53,52.72 282.18,51.37 279.28,51.37 278.78,50.87 U3.61 ; SW71.1 317.9,23.64 308.7,23.64 SW70.1 305.52,22.26 SW77.1
/col14: length 200.5
  Top w0.25: SW96.1 355.76,125.96 341.84,112.03 SW97.1 338.35,104.09 SW98.1 339.23,86.48 339.23,84.22 345.1,78.34 v1(345.1,75) SW99.1 346.23,68.2 346.23,62.22 340.68,56.67 SW100.1 341.82,47.76 341.82,45.42 345.97,41.27 SW90.1
  Bottom w0.25: U3.59 281.88,51.87 283.43,53.42 289.12,53.42 289.73,54.02 289.73,55.28 291.1,56.65 291.1,56.67 292.88,58.44 296.05,58.44 298.28,60.67 298.28,64.22 v1(345.1,75) ; SW90.1 346.47,29.06 SW84.1 348.77,29.56 SW83.1
/col15: length 185.1
  Top w0.25: SW105.1 368.12,57.46 SW104.1 367.39,70.76 v1(361.18,76.97) 360.54,77.61 SW103.1 360.54,107.41 362.99,109.86 SW102.1 374.81,121.26 SW101.1
  Bottom w0.25: v1(361.18,76.97) 360.93,77.22 351.82,77.22 297.73,64.72 297.73,61.02 295.65,58.94 292.74,58.94 290.65,56.86 290.65,56.84 289.8,55.99 288.09,55.99 286.37,54.27 283.28,54.27 281.38,52.37 U3.58
/col16: length 233.6
  Top w0.25: SW106.1 390.97,38.48 381.51,47.93 SW111.1 381.51,58.31 387.22,64.01 SW110.1 387.22,77.23 v1(387.03,77.42) 379.59,84.85 SW109.1 379.59,106.5 381.99,108.9 SW108.1 393.87,120.35 SW107.1
  Bottom w0.25: U3.57 280.98,52.87 286.12,58.02 287.32,58.02 288.75,59.44 295.45,59.44 297.23,61.22 297.23,65.12 351.73,77.67 386.77,77.67 v1(387.03,77.42)
/col17: length 218.4
  Top w0.25: SW114.1 401.51,102.91 398.64,100.03 SW115.1 398.64,87.73 399.23,87.15 v1(399.23,77.92) 399.23,60.2 SW117.1 407.67,46.78 417.62,36.83 SW112.1
  Bottom w0.25: U3.56 280.68,53.37 285.82,58.52 287.12,58.52 289.31,60.7 292.09,60.7 296.73,65.34 296.73,65.62 351.23,78.02 351.62,78.12 399.03,78.12 v1(399.23,77.92)
/col18: length 276.6
  Top w0.25: SW113.1 SW119.1 420.56,108.2 421.62,107.14 421.62,105.12 422.45,104.29 SW121.1 422.45,75.13 SW116.1 418.12,67.73 436.67,49.18 SW122.1 SW118.1
  Bottom w0.25: SW116.1 411.37,70.8 407.12,75.04 407.12,77.82 406.28,78.67 351.67,78.67 296.23,66.12 296.23,65.48 291.9,61.15 289.13,61.15 286.94,58.97 285.64,58.97 280.54,53.87 U3.55 ; SW119.1 411.05,108.86 SW120.1
/col19: length 299.5
  Top w0.25: SW124.S1 462.05,134.97 SW124.S1 462.15,128.79 464.53,126.42 464.53,119.52 455.76,110.76 SW125.1 SW126.1 SW127.1 455.72,70.76 SW123.1
  Bottom w0.25: U3.53 280.9,54.87 285.55,59.52 286.85,59.52 288.94,61.6 291.71,61.6 295.73,65.62 295.73,66.62 351.45,79.08 351.49,79.12 351.62,79.12 351.63,79.12 351.76,79.15 351.8,79.12 445.32,79.12 446.32,80.12 453.62,80.12 454.43,79.32 455.73,79.32 v1(455.76,79.36)
/ENC0_A: length 141
  Top w0.25: v1(258.12,54.62) 257.73,55.02 257.73,85.32 265.63,93.22 265.63,96.91 v1(265.01,97.53)
  Bottom w0.25: 182.45,109.72 190.97,109.72 194.09,112.84 194.12,112.84 v1(265.01,97.53) ; U3.29 264.75,55.37 263.32,53.94 258.8,53.94 v1(258.12,54.62)
/ENC0_B: length 140.6
  Top w0.25: v1(265.53,98.14) 266.12,97.54 266.12,92.92 258.35,85.14 v1(258.35,55.52)
  Bottom w0.25: v1(258.35,55.52) 259.42,54.44 263.19,54.44 264.61,55.87 U3.30 ; 182.83,110.17 190.65,110.17 193.93,113.44 v1(265.53,98.14)
/ENC1_A: length 226.4
  Top w0.25: SW124.A 457.05,121.04 454.73,118.72 446.73,118.72 444.93,116.92 444.93,80.72 v1(444.53,80.32)
  Bottom w0.25: v1(444.53,80.32) 444.32,80.12 351.62,80.12 351.16,80.02 351.12,80.02 351.1,80 294.53,67.62 294.53,65.69 291.34,62.5 288.57,62.5 286.58,60.52 285.28,60.52 280.63,55.87 U3.51
/ENC1_B: length 230.6
  Top w0.25: SW124.B 457.8,118.12 447.03,118.12 445.53,116.62 445.53,80.32 v1(445.32,80.12)
  Bottom w0.25: U3.52 280.77,55.37 285.42,60.02 286.72,60.02 288.75,62.05 291.53,62.05 295.23,65.75 295.23,67.22 351.28,79.54 351.3,79.57 351.39,79.57 351.62,79.62 351.8,79.62 351.84,79.63 351.85,79.62 444.82,79.62 v1(445.32,80.12)
/nRST: length 56.1
  Top w0.25: v1(272.53,50.24) v1(272.53,48.64) ; v1(277.03,57.74) 277.03,57.72 274.95,55.64 v1(274.93,55.64) ; J2.1 280.88,62.79 278.62,65.04 v1(278.62,86.12)
  Bottom w0.25: v1(278.62,86.12) 278.61,86.13 Q2.3 278.62,86.99 278.62,87.94 278.45,88.12 C24.1 ; v1(272.53,48.64) 272.57,48.59 U3.7 ; v1(274.93,55.64) 272.53,53.24 v1(272.53,50.24) ; v1(277.03,57.74) 278.73,57.74 279.73,58.74 280.65,58.74 284.82,62.92 284.82,64.22 284.12,64.92 282.93,64.92 281.15,63.14
/RGB_UG: length 12.2
  Bottom w0.25: Q1.2 265.28,63.92 265.4,64.04 R1.2 267,64.04 267.6,63.44 267.6,57.93 267.83,57.69 269.32,57.69 269.55,57.93 269.55,58.82 U3.36
/row0: length 341.4
  Top w0.25: v1(271.32,97.44) v1(271.32,101.64)
  Bottom w0.25: U3.42 272.57,59.87 272.52,59.92 272.52,96.25 v1(271.32,97.44) ; D133.1 D120.1 430.32,123.37 D114.1 D108.1 D103.1 D98.1 328.95,123.37 324.78,119.2 D91.1 D86.1 D80.1 ; 170.43,123.47 D54.1 189.52,123.37 D61.1 D67.1 229,123.37 230.93,121.44 D74.1 270.07,112.46 D80.1 ; D80.1 271.28,101.69 v1(271.32,101.64)
/row1: length 324
  Top w0.25: v1(275.53,92.82) 270.94,92.82 v1(270.88,92.76)
  Bottom w0.25: U3.41 272.07,80.17 268.8,83.44 267.32,83.44 ; D130.1 429.18,99.97 428.72,100.42 424.23,100.42 423.78,99.97 D126.1 D121.1 405.28,99.97 404.82,100.42 400.83,100.42 400.38,99.97 D115.1 391.23,100.97 D109.1 D104.1 D99.1 D92.1 D87.1 283.74,89 279.93,92.82 v1(275.53,92.82) ; D48.1 D55.1 D62.1 D68.1 D75.1 D81.1 265.84,83.44 267.32,83.44 ; v1(270.88,92.76) 270.78,92.76 267.32,89.3 267.32,83.44
/row2: length 284.8
  Top w0.25: v1(259.93,58.62) v1(259.93,66.92)
  Bottom w0.25: v1(259.93,58.62) 265.95,58.62 268.2,56.37 U3.50 280.48,56.37 285.07,60.97 286.4,60.97 288.38,62.95 291.15,62.95 293.87,65.67 D88.1 D93.1 D100.1 D105.1 369.18,80.7 369.57,81.09 D110.1 370.45,80.97 D116.1 D122.1 D127.1 D131.1 ; 188.18,80.97 D63.1 D69.1 D76.1 D82.1 259.44,67.4 v1(259.93,66.92)
/row3: length 286.9
  Bottom w0.25: D132.1 436.38,61.87 435.6,62.64 431.85,62.64 431.07,61.87 D123.1 413.07,61.87 412.1,62.84 407.75,62.84 406.78,61.87 D117.1 D111.1 377.19,62.6 D106.1 D101.1 D94.1 D89.1 280.53,46.32 275.23,46.32 275.07,46.47 U3.2 275.07,48.89 274.43,49.54 272.12,49.54 271.53,48.94 268.03,48.94 266.88,47.8 D83.1 D77.1 D70.1 D64.1 D57.1
/row4: length 307.9
  Top w0.25: v1(284.12,45.19) 284.12,38.84 282.73,37.44 282.73,27.76 v1(282.7,27.74)
  Bottom w0.25: U3.4 274.07,45.97 274.82,45.22 284.1,45.22 v1(284.12,45.19) ; D128.1 438.2,38.77 434.1,42.87 D124.1 D118.1 D112.1 352.73,42.87 D107.1 D102.1 332.61,38.3 332.23,37.92 320.2,37.92 319.57,37.29 319.57,36.19 317.68,34.3 D95.1 D90.1 v1(282.7,27.74) 280.94,27.4 D84.1 D78.1 237.57,32.22 233.12,32.22 230.32,35.02 230.32,37.12 229.82,37.62 223.12,37.62 220.81,35.3 D71.1 D65.1 D58.1
/row5: length 337.8
  Top w0.25: v1(267.34,6.44) 267.32,6.45 267.32,24.42 268.23,25.32 268.23,39.34 272.12,43.24 v1(272.12,45.24)
  Bottom w0.25: v1(272.12,45.24) 272.07,45.29 U3.8 ; D50.1 D59.1 D66.1 199.12,17.02 259.03,4.32 D72.1 v1(267.34,6.44) D79.1 287.53,5.72 342.43,17.42 D85.1 D96.1 346.61,19.4 349.03,21.82 356.5,21.82 358.55,23.87 D113.1 418.28,23.87 423.18,18.97 D119.1 446.43,18.97 D125.1 453.53,19.07 D129.1
